# KiCad board UNI_i1.kicad_pcb
title: zensai75_UNI_i1; rev: v1; company: shoonie
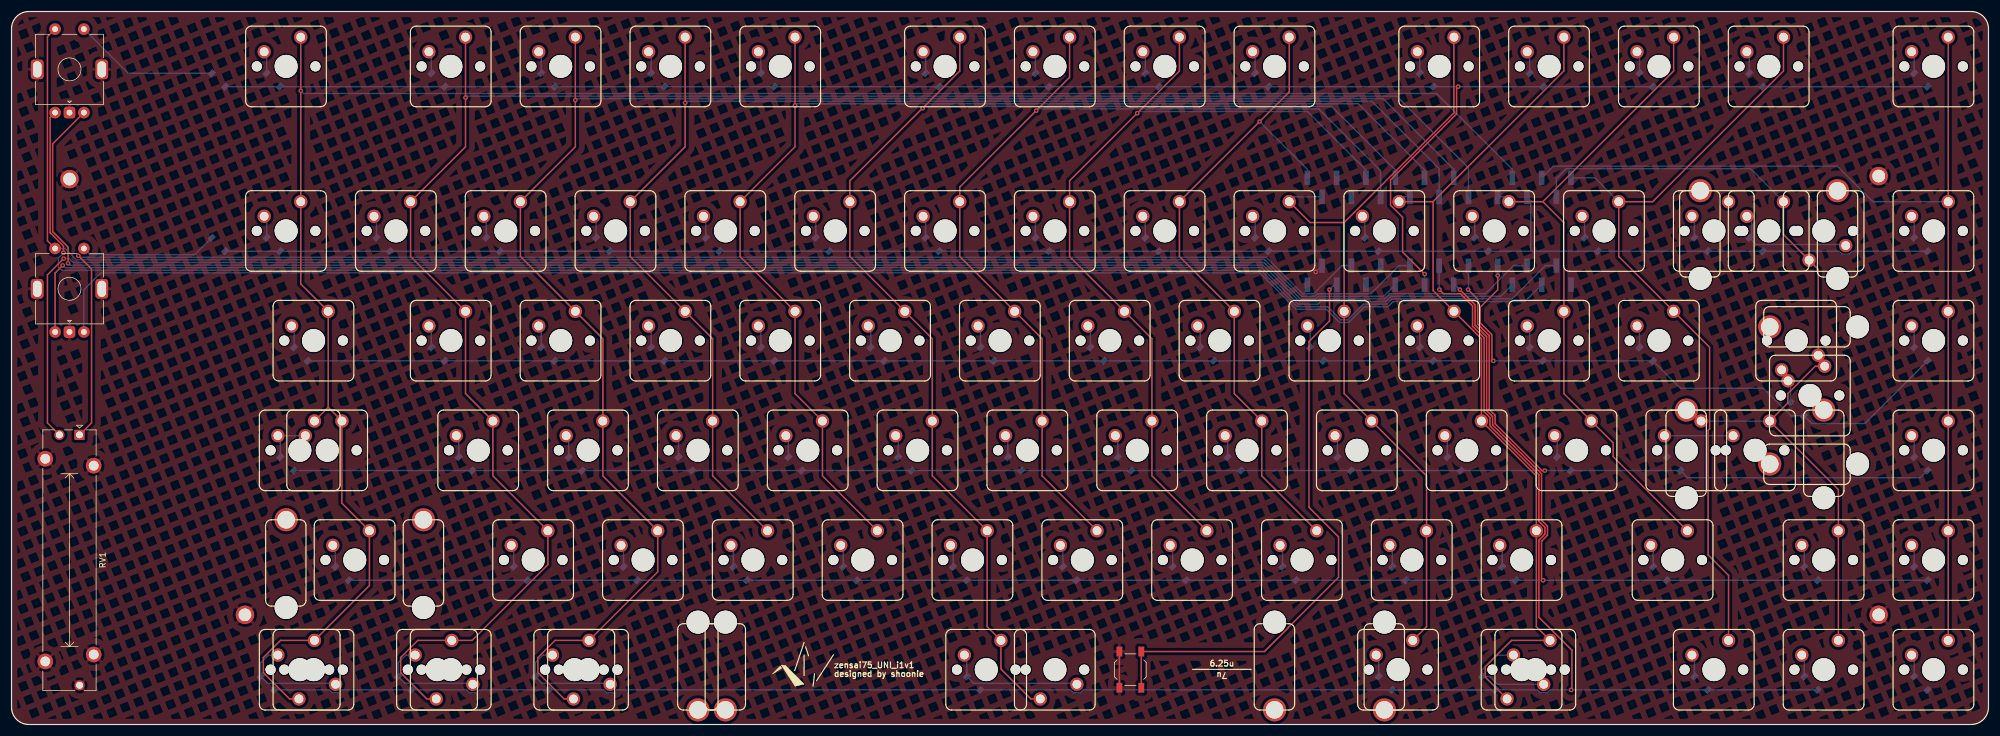
[diagram p0: board, top side]
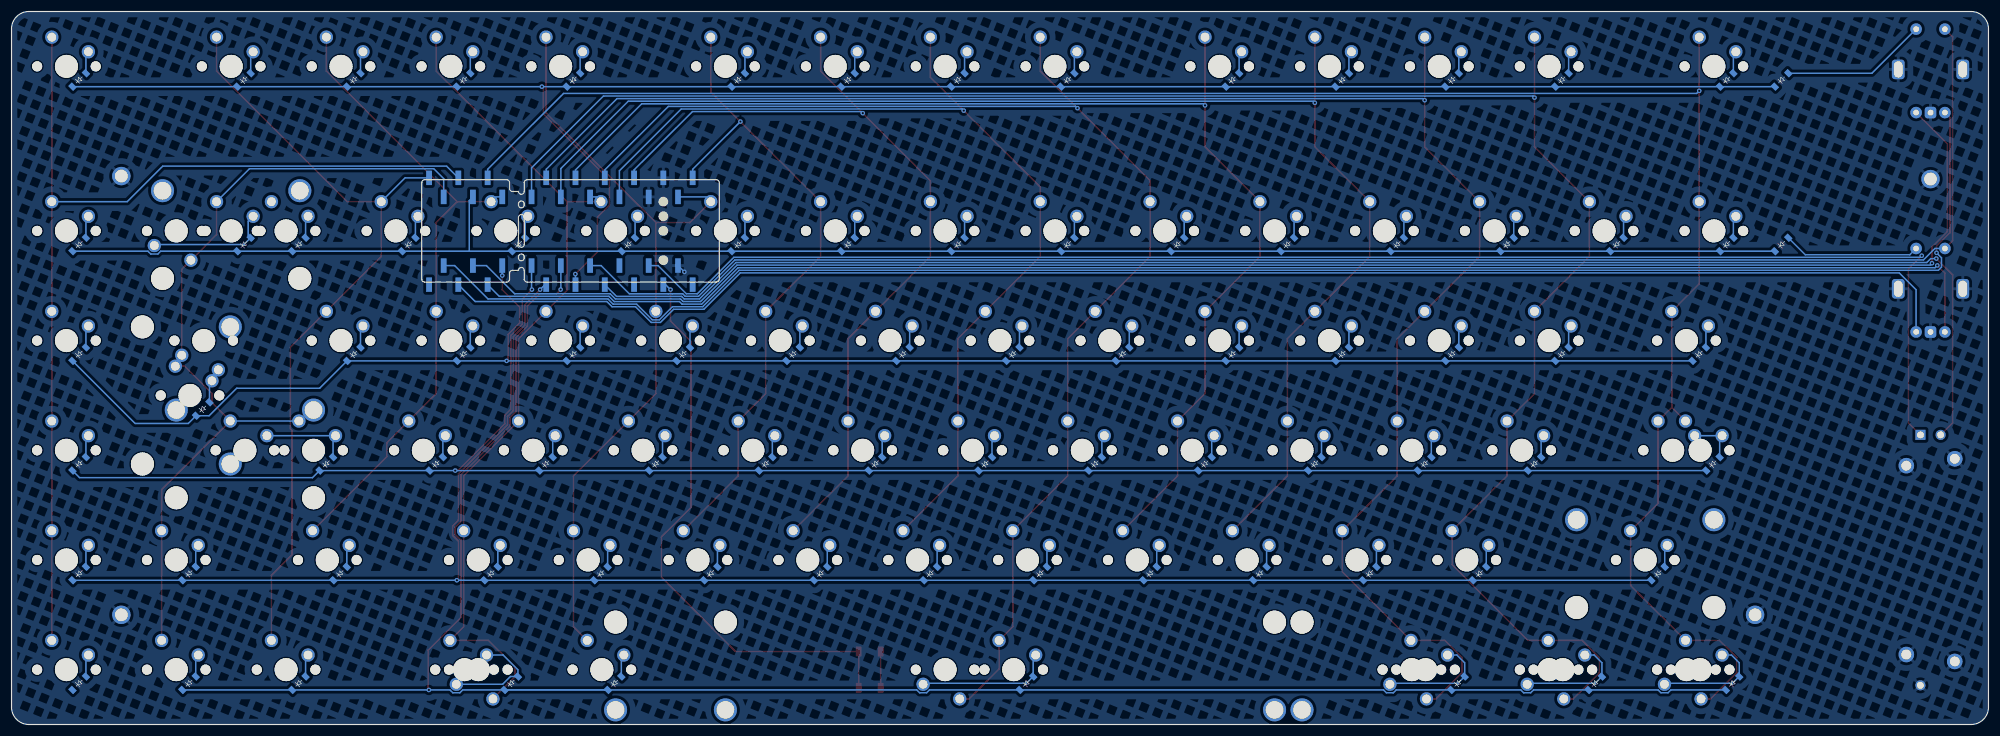
[diagram p1: board, bottom side, seen from below]

Outline 342.9 x 123.82 mm; copper layers: Top, Bottom. Coordinates in mm from the lower left corner of the outline.
Outline path: 0,120.82 0,3 arc(0.88,0.88) 3,0 339.9,0 arc(342.02,0.88) 342.9,3 342.9,120.82 arc(342.02,122.95) 339.9,123.82 3,123.82 arc(0.88,122.95) 0,120.82
Stack: Top 0.035mm / dielectric 1.51mm FR4 er 4.5 / Bottom 0.035mm

## Placement (name value [footprint] x y rotation side)
D1  D_Small  [D_SOD-123_CLEAN]  45.34 112.01 315 bottom
D2  D_Small  [D_SOD-123_CLEAN]  73.92 112.01 315 bottom
D3  D_Small  [D_SOD-123_CLEAN]  92.97 112.01 315 bottom
D4  D_Small  [D_SOD-123_CLEAN]  112.02 112.01 315 bottom
D5  D_Small  [D_SOD-123_CLEAN]  131.07 112.01 315 bottom
D6  D_Small  [D_SOD-123_CLEAN]  159.64 112.01 315 bottom
D7  D_Small  [D_SOD-123_CLEAN]  178.69 112.01 315 bottom
D8  D_Small  [D_SOD-123_CLEAN]  197.74 112.01 315 bottom
D9  D_Small  [D_SOD-123_CLEAN]  216.79 112.01 315 bottom
D10  D_Small  [D_SOD-123_CLEAN]  245.37 112.01 315 bottom
D11  D_Small  [D_SOD-123_CLEAN]  264.42 112.01 315 bottom
D12  D_Small  [D_SOD-123_CLEAN]  283.47 112.01 315 bottom
D13  D_Small  [D_SOD-123_CLEAN]  302.52 112.01 315 bottom
D14  D_Small  [D_SOD-123_CLEAN]  331.09 112.01 315 bottom
D15  D_Small  [D_SOD-123_CLEAN]  45.34 83.44 315 bottom
D16  D_Small  [D_SOD-123_CLEAN]  64.39 83.44 315 bottom
D17  D_Small  [D_SOD-123_CLEAN]  83.44 83.44 315 bottom
D18  D_Small  [D_SOD-123_CLEAN]  102.49 83.44 315 bottom
D19  D_Small  [D_SOD-123_CLEAN]  121.54 83.44 315 bottom
D20  D_Small  [D_SOD-123_CLEAN]  140.59 83.44 315 bottom
D21  D_Small  [D_SOD-123_CLEAN]  159.64 83.44 315 bottom
D22  D_Small  [D_SOD-123_CLEAN]  178.69 83.44 315 bottom
D23  D_Small  [D_SOD-123_CLEAN]  197.74 83.44 315 bottom
D24  D_Small  [D_SOD-123_CLEAN]  216.79 83.44 315 bottom
D25  D_Small  [D_SOD-123_CLEAN]  235.84 83.44 315 bottom
D26  D_Small  [D_SOD-123_CLEAN]  254.89 83.44 315 bottom
D27  D_Small  [D_SOD-123_CLEAN]  273.94 83.44 315 bottom
D28  D_Small  [D_SOD-123_CLEAN]  292.99 83.44 315 bottom
D29  D_Small  [D_SOD-123_CLEAN]  302.52 83.44 315 bottom
D31  D_Small  [D_SOD-123_CLEAN]  331.09 83.44 315 bottom
D32  D_Small  [D_SOD-123_CLEAN]  50.1 64.39 315 bottom
D33  D_Small  [D_SOD-123_CLEAN]  73.92 64.39 315 bottom
D34  D_Small  [D_SOD-123_CLEAN]  92.97 64.39 315 bottom
D35  D_Small  [D_SOD-123_CLEAN]  112.02 64.39 315 bottom
D36  D_Small  [D_SOD-123_CLEAN]  131.07 64.39 315 bottom
D37  D_Small  [D_SOD-123_CLEAN]  150.12 64.39 315 bottom
D38  D_Small  [D_SOD-123_CLEAN]  169.17 64.39 315 bottom
D39  D_Small  [D_SOD-123_CLEAN]  188.22 64.39 315 bottom
D40  D_Small  [D_SOD-123_CLEAN]  207.27 64.39 315 bottom
D41  D_Small  [D_SOD-123_CLEAN]  226.32 64.39 315 bottom
D42  D_Small  [D_SOD-123_CLEAN]  245.37 64.39 315 bottom
D43  D_Small  [D_SOD-123_CLEAN]  264.42 64.39 315 bottom
D44  D_Small  [D_SOD-123_CLEAN]  283.47 64.39 315 bottom
D46  D_Small  [D_SOD-123_CLEAN]  309.66 54.86 315 bottom
D47  D_Small  [D_SOD-123_CLEAN]  331.09 64.39 315 bottom
D48  D_Small  [D_SOD-123_CLEAN]  47.72 45.34 315 bottom
D50  D_Small  [D_SOD-123_CLEAN]  78.68 45.34 315 bottom
D51  D_Small  [D_SOD-123_CLEAN]  97.73 45.34 315 bottom
D52  D_Small  [D_SOD-123_CLEAN]  116.78 45.34 315 bottom
D53  D_Small  [D_SOD-123_CLEAN]  135.83 45.34 315 bottom
D54  D_Small  [D_SOD-123_CLEAN]  154.88 45.34 315 bottom
D55  D_Small  [D_SOD-123_CLEAN]  173.93 45.34 315 bottom
D56  D_Small  [D_SOD-123_CLEAN]  192.98 45.34 315 bottom
D57  D_Small  [D_SOD-123_CLEAN]  212.03 45.34 315 bottom
D58  D_Small  [D_SOD-123_CLEAN]  231.08 45.34 315 bottom
D59  D_Small  [D_SOD-123_CLEAN]  250.13 45.34 315 bottom
D60  D_Small  [D_SOD-123_CLEAN]  269.18 45.34 315 bottom
D61  D_Small  [D_SOD-123_CLEAN]  288.23 45.34 315 bottom
D63  D_Small  [D_SOD-123_CLEAN]  331.09 45.34 315 bottom
D64  D_Small  [D_SOD-123_CLEAN]  57.25 26.29 315 bottom
D65  D_Small  [D_SOD-123_CLEAN]  88.2 26.29 315 bottom
D66  D_Small  [D_SOD-123_CLEAN]  107.25 26.29 315 bottom
D67  D_Small  [D_SOD-123_CLEAN]  126.3 26.29 315 bottom
D68  D_Small  [D_SOD-123_CLEAN]  145.35 26.29 315 bottom
D69  D_Small  [D_SOD-123_CLEAN]  164.4 26.29 315 bottom
D70  D_Small  [D_SOD-123_CLEAN]  183.45 26.29 315 bottom
D71  D_Small  [D_SOD-123_CLEAN]  202.5 26.29 315 bottom
D72  D_Small  [D_SOD-123_CLEAN]  221.55 26.29 315 bottom
D73  D_Small  [D_SOD-123_CLEAN]  240.6 26.29 315 bottom
D74  D_Small  [D_SOD-123_CLEAN]  259.65 26.29 315 bottom
D75  D_Small  [D_SOD-123_CLEAN]  285.85 26.29 315 bottom
D76  D_Small  [D_SOD-123_CLEAN]  312.04 26.29 315 bottom
D77  D_Small  [D_SOD-123_CLEAN]  331.09 26.29 315 bottom
D78  D_Small  [D_SOD-123_CLEAN]  44.33 7.24 315 bottom
D80  D_Small  [D_SOD-123_CLEAN]  68.14 7.24 315 bottom
D82  D_Small  [D_SOD-123_CLEAN]  91.95 7.24 315 bottom
D84  D_Small  [D_SOD-123_CLEAN]  166.79 7.24 315 bottom
D86  D_Small  [D_SOD-123_CLEAN]  238.22 7.24 315 bottom
D88  D_Small  [D_SOD-123_CLEAN]  256.16 7.24 315 bottom
D89  D_Small  [D_SOD-123_CLEAN]  292.99 7.24 315 bottom
D90  D_Small  [D_SOD-123_CLEAN]  312.04 7.24 315 bottom
D91  D_Small  [D_SOD-123_CLEAN]  331.09 7.24 315 bottom
D92  D_Small  [D_SOD-123_CLEAN]  35.82 112.01 315 bottom
D93  D_Small  [D_SOD-123_CLEAN]  35.82 83.44 315 bottom
H1  MountingHole_Pad  [MountingHole_2.2mm_M2_Pad_MOD]  10.05 94.72 0 top
H2  MountingHole_Pad  [MountingHole_2.2mm_M2_Pad_MOD]  40.48 19.05 0 top
H3  MountingHole_Pad  [MountingHole_2.2mm_M2_Pad_MOD]  323.85 95.25 0 top
H4  MountingHole_Pad  [MountingHole_2.2mm_M2_Pad_MOD]  323.85 19.05 0 top
J1  Conn_01x19_Pin  [PinHeader_1x19_P2.54mm_Vertical_SMD_Pin1Left_BLANK]  247.63 93.29 270 bottom
J2  Conn_01x19_Pin  [PinHeader_1x19_P2.54mm_Vertical_SMD_Pin1Left_BLANK]  247.63 78.05 90 bottom
REF**  -  [bottom_row_guide]  209.93 9.57 0 top
REF**#2  -  [info]  142.55 9.55 0 top
RV1  R_Potentiometer_MountingPin  [Potentiometer_Bourns_PTA3043_Single_Slide]  11.8 50.3 270 top
S29  MX_stab  [STAB_MX_P_2u]  304.8 85.72 0 top
S46  MX_stab  [STAB_MX_P_2u]  311.95 57.15 90 top
S62  MX_stab  [STAB_MX_P_2u]  302.42 47.62 0 top
S64  MX_stab  [STAB_MX_P_2u]  59.53 28.57 0 top
S84  MX_stab  [STAB_MX_P_6.25u]  169.07 9.52 180 top
S85  MX_stab  [STAB_MX_P_7u]  180.98 9.52 180 top
SW1  MX_SW_solder  [SW_MX_1u]  47.63 114.3 0 top
SW2  MX_SW_solder  [SW_MX_1u]  76.2 114.3 0 top
SW3  MX_SW_solder  [SW_MX_1u]  95.25 114.3 0 top
SW4  MX_SW_solder  [SW_MX_1u]  114.3 114.3 0 top
SW5  MX_SW_solder  [SW_MX_1u]  133.35 114.3 0 top
SW6  MX_SW_solder  [SW_MX_1u]  161.93 114.3 0 top
SW7  MX_SW_solder  [SW_MX_1u]  180.98 114.3 0 top
SW8  MX_SW_solder  [SW_MX_1u]  200.03 114.3 0 top
SW9  MX_SW_solder  [SW_MX_1u]  219.08 114.3 0 top
SW10  MX_SW_solder  [SW_MX_1u]  247.65 114.3 0 top
SW11  MX_SW_solder  [SW_MX_1u]  266.7 114.3 0 top
SW12  MX_SW_solder  [SW_MX_1u]  285.75 114.3 0 top
SW13  MX_SW_solder  [SW_MX_1u]  304.8 114.3 0 top
SW14  MX_SW_solder  [SW_MX_1u]  333.38 114.3 0 top
SW15  MX_SW_solder  [SW_MX_1u]  47.63 85.72 0 top
SW16  MX_SW_solder  [SW_MX_1u]  66.68 85.72 0 top
SW17  MX_SW_solder  [SW_MX_1u]  85.73 85.72 0 top
SW18  MX_SW_solder  [SW_MX_1u]  104.78 85.72 0 top
SW19  MX_SW_solder  [SW_MX_1u]  123.83 85.72 0 top
SW20  MX_SW_solder  [SW_MX_1u]  142.88 85.72 0 top
SW21  MX_SW_solder  [SW_MX_1u]  161.93 85.72 0 top
SW22  MX_SW_solder  [SW_MX_1u]  180.98 85.72 0 top
SW23  MX_SW_solder  [SW_MX_1u]  200.03 85.72 0 top
SW24  MX_SW_solder  [SW_MX_1u]  219.08 85.72 0 top
SW25  MX_SW_solder  [SW_MX_1u]  238.13 85.72 0 top
SW26  MX_SW_solder  [SW_MX_1u]  257.18 85.72 0 top
SW27  MX_SW_solder  [SW_MX_1u]  276.23 85.72 0 top
SW28  MX_SW_solder  [SW_MX_1u]  295.28 85.72 0 top
SW29  MX_SW_solder  [SW_MX_1u]  304.8 85.72 0 top
SW30  MX_SW_solder  [SW_MX_1u]  314.33 85.72 180 top
SW31  MX_SW_solder  [SW_MX_1u]  333.38 85.72 0 top
SW32  MX_SW_solder  [SW_MX_1u]  52.39 66.67 0 top
SW33  MX_SW_solder  [SW_MX_1u]  76.2 66.67 0 top
SW34  MX_SW_solder  [SW_MX_1u]  95.25 66.67 0 top
SW35  MX_SW_solder  [SW_MX_1u]  114.3 66.67 0 top
SW36  MX_SW_solder  [SW_MX_1u]  133.35 66.67 0 top
SW37  MX_SW_solder  [SW_MX_1u]  152.4 66.67 0 top
SW38  MX_SW_solder  [SW_MX_1u]  171.45 66.67 0 top
SW39  MX_SW_solder  [SW_MX_1u]  190.5 66.67 0 top
SW40  MX_SW_solder  [SW_MX_1u]  209.55 66.67 0 top
SW41  MX_SW_solder  [SW_MX_1u]  228.6 66.67 0 top
SW42  MX_SW_solder  [SW_MX_1u]  247.65 66.67 0 top
SW43  MX_SW_solder  [SW_MX_1u]  266.7 66.67 0 top
SW44  MX_SW_solder  [SW_MX_1u]  285.75 66.67 0 top
SW45  MX_SW_solder  [SW_MX_1u]  309.57 66.67 180 top
SW46  MX_SW_solder  [SW_MX_1u]  311.95 57.15 0 top
SW47  MX_SW_solder  [SW_MX_1u]  333.38 66.67 0 top
SW48  MX_SW_solder  [SW_MX_1u]  50.01 47.62 0 top
SW49  MX_SW_solder  [SW_MX_1u]  54.77 47.62 0 top
SW50  MX_SW_solder  [SW_MX_1u]  80.97 47.62 0 top
SW51  MX_SW_solder  [SW_MX_1u]  100.02 47.62 0 top
SW52  MX_SW_solder  [SW_MX_1u]  119.07 47.62 0 top
SW53  MX_SW_solder  [SW_MX_1u]  138.12 47.62 0 top
SW54  MX_SW_solder  [SW_MX_1u]  157.17 47.62 0 top
SW55  MX_SW_solder  [SW_MX_1u]  176.22 47.62 0 top
SW56  MX_SW_solder  [SW_MX_1u]  195.27 47.62 0 top
SW57  MX_SW_solder  [SW_MX_1u]  214.32 47.62 0 top
SW58  MX_SW_solder  [SW_MX_1u]  233.37 47.62 0 top
SW59  MX_SW_solder  [SW_MX_1u]  252.42 47.62 0 top
SW60  MX_SW_solder  [SW_MX_1u]  271.47 47.62 0 top
SW61  MX_SW_solder  [SW_MX_1u]  290.52 47.62 0 top
SW62  MX_SW_solder  [SW_MX_1u]  302.42 47.62 0 top
SW63  MX_SW_solder  [SW_MX_1u]  333.38 47.62 0 top
SW64  MX_SW_solder  [SW_MX_1u]  59.53 28.57 0 top
SW65  MX_SW_solder  [SW_MX_1u]  90.49 28.57 0 top
SW66  MX_SW_solder  [SW_MX_1u]  109.54 28.57 0 top
SW67  MX_SW_solder  [SW_MX_1u]  128.59 28.57 0 top
SW68  MX_SW_solder  [SW_MX_1u]  147.64 28.57 0 top
SW69  MX_SW_solder  [SW_MX_1u]  166.69 28.57 0 top
SW70  MX_SW_solder  [SW_MX_1u]  185.74 28.57 0 top
SW71  MX_SW_solder  [SW_MX_1u]  204.79 28.57 0 top
SW72  MX_SW_solder  [SW_MX_1u]  223.84 28.57 0 top
SW73  MX_SW_solder  [SW_MX_1u]  242.89 28.57 0 top
SW74  MX_SW_solder  [SW_MX_1u]  261.94 28.57 0 top
SW75  MX_SW_solder  [SW_MX_1u]  288.13 28.57 0 top
SW76  MX_SW_solder  [SW_MX_1u]  314.33 28.57 0 top
SW77  MX_SW_solder  [SW_MX_1u]  333.38 28.57 0 top
SW78  MX_SW_solder  [SW_MX_1u]  50.01 9.52 0 top
SW79  MX_SW_solder  [SW_MX_1u]  52.39 9.52 180 top
SW80  MX_SW_solder  [SW_MX_1u]  73.82 9.52 0 top
SW81  MX_SW_solder  [SW_MX_1u]  76.2 9.52 180 top
SW82  MX_SW_solder  [SW_MX_1u]  97.63 9.52 0 top
SW83  MX_SW_solder  [SW_MX_1u]  100.02 9.52 180 top
SW84  MX_SW_solder  [SW_MX_1u]  169.07 9.52 0 top
SW85  MX_SW_solder  [SW_MX_1u]  180.98 9.52 180 top
SW86  MX_SW_solder  [SW_MX_1u]  240.51 9.52 0 top
SW87  MX_SW_solder  [SW_MX_1u]  261.94 9.52 180 top
SW88  MX_SW_solder  [SW_MX_1u]  264.32 9.52 0 top
SW89  MX_SW_solder  [SW_MX_1u]  295.28 9.52 0 top
SW90  MX_SW_solder  [SW_MX_1u]  314.33 9.52 0 top
SW91  MX_SW_solder  [SW_MX_1u]  333.38 9.52 0 top
SW92  RotaryEncoder_Switch  [ROT_Alps_EC11E-Switch]  10.05 113.77 0 top
SW93  RotaryEncoder_Switch  [ROT_Alps_EC11E-Switch]  10.05 75.67 0 top
SW94  SW_Push_45deg  [SW_SPST_TL3342]  194.06 9.52 270 top
U1  Bonsai-C4-extended  [Bonsai_C4_extended_SMD]  238.13 85.72 270 bottom

## Library data of the parts
D1-D29 D31-D44 D46-D48 D50-D61 D63-D78 D80 D82 D84 D86 D88-D93 = -: Description: Diode, small symbol; Sim.Device: D; Sim.Pins: 1=K 2=A
H1-H4 = -: Description: Mounting Hole with connection
J1 J2 = -: Description: Generic connector, single row, 01x19, script generated
RV1 = -: Description: Potentiometer with a mounting pin
S29 S46 S62 S64 S84 S85 = -: Description: Cherry MX-style stabilizer
SW1-SW91 SW94 = -: Description: Push button switch, normally open, two pins, 45° tilted
SW92 SW93 = -: Description: Rotary encoder, dual channel, incremental quadrate outputs, with switch

## Footprints (pads in the part's own frame, mm; a bottom-side part is the same pattern mirrored in y, then rotated)
Bonsai_C4_extended_SMD
  rect 2.51x1 smd: 1(-9.215,13.364) 2(-5.905,10.824) 3(-9.215,8.284) 4(-5.905,5.744) 5(-9.215,3.204) 6(-5.905,0.664) 7(-9.215,-1.876) 8(-5.905,-4.416) 9(-9.215,-6.956) 10(-5.905,-9.496) 11(-9.215,-12.036) 12(-5.905,-14.576) 17(9.335,13.364) 18(6.025,10.824) 19(9.335,8.284) 20(6.025,5.744) 21(9.335,3.204) 22(6.025,0.664) 23(9.335,-1.876) 24(9.335,-6.956) 25(6.025,-4.416) 26(6.025,-9.496) 27(9.335,-12.036) 28(6.025,-14.576) 29(-5.905,-19.656) 30(-9.215,-22.196) 31(-5.905,-24.736) 32(-9.215,-27.276) 33(-5.905,-29.816) 34(-9.215,-32.356) 35(6.025,-19.656) 36(9.335,-22.196) 37(6.025,-24.736) 38(9.335,-27.276) 39(6.025,-29.816) 40(9.335,-32.356)
D_SOD-123_CLEAN
  rect 0.9x1.2 smd: 1(1.75,0) 2(-1.55,0)
MountingHole_2.2mm_M2_Pad_MOD
  round 3.2 hole 2.2: 1(0,0)
Potentiometer_Bourns_PTA3043_Single_Slide
  rect 1.75x1.75 hole 1.2: 1(0,0)
  round 1.75 hole 1.2: 2(0,-3.5) 3(43.5,0)
  round 2.7 hole 1.7: MP(4.15,-5.95) MP(5.35,2.45) MP(38.15,2.45) MP(39.35,-5.95)
ROT_Alps_EC11E-Switch
  round 2 hole 1: A(-2.5,-7.5) B(2.5,-7.5) S1(2.5,7) S2(-2.5,7)
  rrect 2x2 hole 1: C(0,-7.5)
  rrect 2.2x3.4 hole 1.5x2.8: MP(-5.6,0) MP(5.6,0)
STAB_MX_P_2u
  round 4 hole 3.048: (-11.906,6.985) (11.906,6.985)
  round 3.988 hole 3.988 unplated: (-11.906,-8.255) (11.906,-8.255)
STAB_MX_P_6.25u
  round 4 hole 3.048: (-50.006,6.985) (50.006,6.985)
  round 3.988 hole 3.988 unplated: (-50.006,-8.255) (50.006,-8.255)
STAB_MX_P_7u
  round 4 hole 3.048: (-57.15,6.985) (57.15,6.985)
  round 3.988 hole 3.988 unplated: (-57.15,-8.255) (57.15,-8.255)
SW_MX_1u
  round 1.75 hole 1.75 unplated: (-5.08,0) (5.08,0)
  round 3.988 hole 3.988 unplated: (0,0)
  round 2.3 hole 1.524: 1(-3.81,2.54) 2(2.54,5.08)
SW_SPST_TL3342
  rect 1.7x1 smd: 1(-3.15,1.9) 1(3.15,1.9) 2(-3.15,-1.9) 2(3.15,-1.9)

## Nets
+3.3V: RV1.1 U1.20
GND: H1.1 H2.1 H3.1 H4.1 RV1.3 RV1.MP SW92.C SW92.MP SW93.C SW93.MP SW94.2 U1.3 U1.4 U1.18
COL0: SW1.2 SW15.2 SW32.2 SW48.2 SW49.2 SW64.2 SW78.2 SW79.2 U1.30
COL1: SW2.2 SW16.2 SW33.2 SW50.2 SW65.2 SW80.2 SW81.2 U1.12
COL2: SW3.2 SW17.2 SW34.2 SW51.2 SW66.2 SW82.2 SW83.2 U1.11
COL3: SW4.2 SW18.2 SW35.2 SW52.2 SW67.2 U1.10
COL4: SW5.2 SW19.2 SW36.2 SW53.2 SW68.2 U1.9
COL5: SW6.2 SW20.2 SW37.2 SW54.2 SW69.2 SW84.2 SW85.2 U1.7
COL6: SW7.2 SW21.2 SW38.2 SW55.2 SW70.2 U1.6
COL7: SW8.2 SW22.2 SW39.2 SW56.2 SW71.2 U1.5
COL8: SW9.2 SW23.2 SW40.2 SW57.2 SW72.2 U1.1
COL9: SW10.2 SW24.2 SW41.2 SW58.2 SW73.2 SW86.2 U1.2
COL10: SW11.2 SW25.2 SW42.2 SW59.2 SW74.2 SW87.2 SW88.2 U1.8
COL11: SW12.2 SW26.2 SW43.2 SW60.2 SW75.2 U1.29
COL12: SW13.2 SW27.2 SW44.2 SW89.2 U1.34
COL13: SW29.2 SW30.2 SW45.1 SW46.2 SW61.2 SW62.2 SW76.2 SW90.2 U1.33
COL14: SW14.2 SW31.2 SW47.2 SW63.2 SW77.2 SW91.2 U1.32
COL-1: SW92.S1 SW93.S1 U1.25
ROW0: D15.1 D16.1 D17.1 D18.1 D19.1 D20.1 D21.1 D22.1 D23.1 D24.1 D25.1 D26.1 D27.1 D28.1 D29.1 D31.1 D93.1 U1.31
ROW1: D32.1 D33.1 D34.1 D35.1 D36.1 D37.1 D38.1 D39.1 D40.1 D41.1 D42.1 D43.1 D44.1 D46.1 D47.1 U1.35
ROW2: D48.1 D50.1 D51.1 D52.1 D53.1 D54.1 D55.1 D56.1 D57.1 D58.1 D59.1 D60.1 D61.1 D63.1 U1.28
ROW3: D64.1 D65.1 D66.1 D67.1 D68.1 D69.1 D70.1 D71.1 D72.1 D73.1 D74.1 D75.1 D76.1 D77.1 U1.27
ROW4: D78.1 D80.1 D82.1 D84.1 D86.1 D88.1 D89.1 D90.1 U1.26
ROW-1: D1.1 D2.1 D3.1 D4.1 D5.1 D6.1 D7.1 D8.1 D9.1 D10.1 D11.1 D12.1 D13.1 D14.1 D92.1 U1.24
SW32A: SW92.A U1.39
SW32B: SW92.B U1.37
SW48A: SW93.A U1.36
SW48B: SW93.B U1.38
Net-(D1-A): D1.2 SW1.1
Net-(D2-A): D2.2 SW2.1
Net-(D3-A): D3.2 SW3.1
Net-(D4-A): D4.2 SW4.1
Net-(D5-A): D5.2 SW5.1
Net-(D6-A): D6.2 SW6.1
Net-(D7-A): D7.2 SW7.1
Net-(D8-A): D8.2 SW8.1
Net-(D9-A): D9.2 SW9.1
Net-(D10-A): D10.2 SW10.1
Net-(D11-A): D11.2 SW11.1
Net-(D12-A): D12.2 SW12.1
Net-(D13-A): D13.2 SW13.1
Net-(D14-A): D14.2 SW14.1
Net-(D15-A): D15.2 SW15.1
Net-(D16-A): D16.2 SW16.1
Net-(D17-A): D17.2 SW17.1
Net-(D18-A): D18.2 SW18.1
Net-(D19-A): D19.2 SW19.1
Net-(D20-A): D20.2 SW20.1
Net-(D21-A): D21.2 SW21.1
Net-(D22-A): D22.2 SW22.1
Net-(D23-A): D23.2 SW23.1
Net-(D24-A): D24.2 SW24.1
Net-(D25-A): D25.2 SW25.1
Net-(D26-A): D26.2 SW26.1
Net-(D27-A): D27.2 SW27.1
Net-(D28-A): D28.2 SW28.1
Net-(D29-A): D29.2 SW29.1 SW30.1
Net-(D31-A): D31.2 SW31.1
Net-(D32-A): D32.2 SW32.1
Net-(D33-A): D33.2 SW33.1
Net-(D34-A): D34.2 SW34.1
Net-(D35-A): D35.2 SW35.1
Net-(D36-A): D36.2 SW36.1
Net-(D37-A): D37.2 SW37.1
Net-(D38-A): D38.2 SW38.1
Net-(D39-A): D39.2 SW39.1
Net-(D40-A): D40.2 SW40.1
Net-(D41-A): D41.2 SW41.1
Net-(D42-A): D42.2 SW42.1
Net-(D43-A): D43.2 SW43.1
Net-(D44-A): D44.2 SW44.1
Net-(D45-A): D46.2 SW45.2 SW46.1
Net-(D47-A): D47.2 SW47.1
Net-(D48-A): D48.2 SW48.1 SW49.1
Net-(D50-A): D50.2 SW50.1
Net-(D51-A): D51.2 SW51.1
Net-(D52-A): D52.2 SW52.1
Net-(D53-A): D53.2 SW53.1
Net-(D54-A): D54.2 SW54.1
Net-(D55-A): D55.2 SW55.1
Net-(D56-A): D56.2 SW56.1
Net-(D57-A): D57.2 SW57.1
Net-(D58-A): D58.2 SW58.1
Net-(D59-A): D59.2 SW59.1
Net-(D60-A): D60.2 SW60.1
Net-(D61-A): D61.2 SW61.1 SW62.1
Net-(D63-A): D63.2 SW63.1
Net-(D64-A): D64.2 SW64.1
Net-(D65-A): D65.2 SW65.1
Net-(D66-A): D66.2 SW66.1
Net-(D67-A): D67.2 SW67.1
Net-(D68-A): D68.2 SW68.1
Net-(D69-A): D69.2 SW69.1
Net-(D70-A): D70.2 SW70.1
Net-(D71-A): D71.2 SW71.1
Net-(D72-A): D72.2 SW72.1
Net-(D73-A): D73.2 SW73.1
Net-(D74-A): D74.2 SW74.1
Net-(D75-A): D75.2 SW75.1
Net-(D76-A): D76.2 SW76.1
Net-(D77-A): D77.2 SW77.1
Net-(D78-A): D78.2 SW78.1 SW79.1
Net-(D80-A): D80.2 SW80.1 SW81.1
Net-(D82-A): D82.2 SW82.1 SW83.1
Net-(D84-A): D84.2 SW84.1 SW85.1
Net-(D86-A): D86.2 SW86.1
Net-(D87-A): D88.2 SW87.1 SW88.1
Net-(D89-A): D89.2 SW89.1
Net-(D90-A): D90.2 SW90.1
Net-(D91-A): D91.2 SW91.1
Net-(D92-A): D92.2 SW92.S2
Net-(D93-A): D93.2 SW93.S2
Net-(U1-A5): RV1.2 U1.23
Net-(U1-DFU): SW94.1 U1.19

Pads without a net: D91 1; SW28 2; U1 17 21 22 40

## Via types
v1: diameter 0.8, hole 0.4, Top to Bottom, 26 vias

## Routing (per net, layer and track width the routed paths; a pad name or vN(x,y) marks a point on that pad's centre or on a via; arc(x,y) is an arc through that point)
+3.3V: length 258.5
  Top w0.25: v1(11.57,81.41) 11.59,81.41 13.88,79.13 13.88,52.38 RV1.1
  Bottom w0.25: v1(11.57,81.41) 11.85,81.13 217.61,81.13 223.94,74.81 225.86,74.81 230.75,79.7 U1.20
GND: length 7.8
  Top w0.25: SW94.2 SW94.2
  Bottom w0.25: 227.28,79.7 v1(226.19,78.61)
COL0: length 355.1
  Top w0.25: SW1.2 SW15.2 50.17,76.51 SW32.2 54.93,55.08 ; 54.93,55.08 SW49.2 57.31,38.41 SW64.2 62.07,24.13 SW78.2 46.65,14.6 43.68,11.63 43.68,8.99 48.22,4.44 SW79.2 ; 54.93,55.08 SW48.2
  Bottom w0.25: U1.30 260.32,96.42 247.14,109.6 50.62,109.6 v1(50.17,110.05)
COL1: length 332.6
  Top w0.25: SW81.2 72.04,4.44 67.49,8.99 67.49,11.63 70.47,14.6 SW80.2 79.87,14.6 93.03,27.76 SW65.2 83.51,43.18 SW50.2 78.74,57.46 SW33.2 69.22,81.28 SW16.2 78.74,100.33 SW2.2
  Bottom w0.25: v1(78.74,108.87) 79.02,109.15 240.23,109.15 252.7,96.67 U1.12
COL2: length 303.4
  Top w0.25: SW83.2 95.85,4.44 91.3,8.99 91.3,11.63 94.28,14.6 SW82.2 112.08,26.51 SW66.2 102.56,43.18 SW51.2 102.56,66.99 SW34.2 88.27,81.28 SW17.2 97.79,100.33 SW3.2
  Bottom w0.25: U1.11 250.16,96.42 237.88,108.7 98.07,108.7 v1(97.79,108.42)
COL3: length 240.2
  Top w0.25: SW4.2 116.84,100.33 SW18.2 107.32,81.28 SW35.2 121.61,66.99 SW52.2 121.61,43.18 SW67.2
  Bottom w0.25: U1.10 247.62,96.55 235.92,108.25 117.12,108.25 v1(116.84,107.97)
COL4: length 215
  Top w0.25: SW5.2 135.89,100.33 126.37,90.8 126.37,81.28 SW36.2 135.89,57.46 SW53.2 140.66,43.18 SW68.2
  Bottom w0.25: v1(135.89,107.52) 136.17,107.8 233.6,107.8 245.08,96.31 U1.9
COL5: length 225.5
  Top w0.25: SW85.2 176.81,4.44 171.61,9.64 SW84.2 169.23,16.98 SW69.2 159.71,43.18 SW54.2 159.71,66.99 SW37.2 145.42,81.28 SW20.2 145.42,94.44 v1(158.01,107.03) 164.47,113.49 SW6.2
  Bottom w0.25: v1(158.01,107.03) 158.33,107.35 228.97,107.35 240,96.31 U1.7
COL6: length 172.3
  Top w0.25: SW70.2 178.76,43.18 SW55.2 178.76,66.99 SW38.2 164.47,81.28 SW21.2 164.47,93.34 v1(177.74,106.61) 183.52,112.39 SW7.2
  Bottom w0.25: v1(177.74,106.61) 178.02,106.9 226.73,106.9 237.46,96.17 U1.6
COL7: length 148.8
  Top w0.25: SW71.2 197.81,43.18 SW56.2 197.81,66.99 SW39.2 183.52,81.28 SW22.2 183.52,94.44 v1(195.25,106.17) 202.57,113.49 SW8.2
  Bottom w0.25: v1(195.25,106.17) 195.53,106.45 224.79,106.45 234.92,96.31 U1.5
COL8: length 116.7
  Top w0.25: 221.62,119.38 221.62,109.85 v1(216.47,104.71) SW23.2 202.57,81.28 SW40.2 212.09,57.46 SW57.2 216.86,43.18 SW72.2
  Bottom w0.25: U1.1 224.76,96.42 v1(216.47,104.71)
COL9: length 136.6
  Top w0.25: 231.14,87.17 250.19,106.22 SW10.2 ; 231.14,87.17 SW41.2 231.14,57.46 SW58.2 245.43,43.18 SW73.2 245.43,16.98 SW86.2 ; 231.14,87.17 225.25,87.17 221.62,90.8
  Bottom w0.25: U1.2 222.44,91.63 221.62,90.8
COL10: length 151
  Top w0.25: 246.56,90.8 269.24,113.49 SW11.2 ; 246.56,90.8 SW25.2 ; 246.56,90.8 246.56,75.39 SW42.2 254.96,66.99 SW59.2 264.48,43.18 SW74.2 264.48,16.98 SW88.2 260.17,14.6 255.61,10.04 255.61,8.23 SW87.2
  Bottom w0.25: U1.8 241.49,91.63 SW25.2
COL11: length 113.7
  Top w0.25: 265.61,90.8 269.24,87.17 SW43.2 269.24,57.46 SW60.2 277.8,48.91 277.8,46.53 SW75.2 ; 265.61,90.8 288.29,113.49 SW12.2 ; 265.61,90.8 259.72,90.8
  Bottom w0.25: U1.29 258.89,91.63 259.72,90.8
COL12: length 138.2
  Top w0.25: SW13.2 307.34,113.49 284.66,90.8 278.77,90.8 278.77,81.28 SW44.2 294.53,65.51 294.53,51.32 294.26,51.05 294.26,29.46 297.82,25.91 SW89.2
  Bottom w0.25: U1.34 274.63,94.94 278.77,90.8
COL13: length 145.8
  Top w0.25: SW90.2 SW76.2 316.87,40.8 SW62.2 308.12,55.86 308.12,57.48 312.86,62.23 SW46.2 313.38,63.34 ; SW29.2 307.34,85.09 SW30.2 313.38,79.05 SW45.1
  Bottom w0.25: SW61.2 SW62.2 ; SW29.2 301.63,96.52 269.66,96.52 267.94,94.8 U1.33
COL14: length 178.7
  Top w0.25: SW14.2 SW91.2
  Bottom w0.25: U1.32 267.43,96.97 316.67,96.97 322.84,90.8 SW31.2
COL-1: length 279.8
  Top w0.25: 7.55,82.67 6.23,84 6.23,119.45 7.55,120.77
  Bottom w0.25: U1.25 240.64,79.7 235.74,74.8 229.03,74.8 229.03,74.8 228.3,74.8 226.49,74.8 226.05,74.36 223.75,74.36 217.43,80.68 11.27,80.68 9.28,82.67 7.55,82.67
ROW0: length 305.4
  Bottom w0.25: U1.31 263.51,90.98 263.51,82.22 263.53,82.2 ; 263.53,82.2 D27.1 D28.1 D29.1 317.04,82.2 317.53,81.71 318.75,81.71 319.24,82.2 D31.1 ; 263.53,82.2 D26.1 D25.1 D24.1 D23.1 D22.1 D21.1 D20.1 D19.1 D18.1 D17.1 D16.1 D15.1 D93.1
ROW1: length 308.7
  Top w0.25: v1(257.78,77.98) 257.78,75.5 254.76,72.48 254.76,69.73 256.76,67.74 256.76,63.42 v1(257.03,63.15)
  Bottom w0.25: D47.1 321.46,52.28 312.24,52.28 D46.1 308.62,53.62 303.85,58.4 289.46,58.4 D44.1 D43.1 D42.1 D41.1 D40.1 D39.1 D38.1 D37.1 D36.1 D35.1 D34.1 D33.1 D32.1 ; v1(257.78,77.98) U1.35
ROW2: length 325.8
  Top w0.25: v1(252.64,75.53) 254.31,73.86 254.31,69.54 256.31,67.55 256.31,54.73 257.33,53.71 257.33,52.24 265.47,44.1 v1(265.94,44.1)
  Bottom w0.25: U1.28 252.7,75.59 v1(252.64,75.53) ; D48.1 D50.1 D51.1 D52.1 D53.1 D54.1 D55.1 D56.1 D57.1 D58.1 D59.1 v1(265.94,44.1) D60.1 D61.1 290.69,42.87 331.1,42.87 D63.1
ROW3: length 332.4
  Top w0.25: v1(251.21,75.53) 253.86,72.88 253.86,69.35 255.86,67.36 255.86,54.52 256.88,53.5 256.88,52.05 265.38,43.55 265.38,35.47 266.41,34.45 266.41,32.85 265.38,31.83 265.38,25.32 v1(265.65,25.05)
  Bottom w0.25: D64.1 D65.1 D66.1 D67.1 D68.1 D69.1 D70.1 D71.1 D72.1 D73.1 D74.1 D75.1 D76.1 D77.1 ; 250.35,76.39 v1(251.21,75.53)
ROW4: length 373.5
  Top w0.25: v1(247.66,75.53) 248.38,74.81 251.3,74.81 253.41,72.69 253.41,69.17 255.41,67.18 255.41,54.34 256.43,53.31 256.43,51.86 264.93,43.36 264.93,35.29 265.96,34.26 265.96,33.04 264.93,32.02 264.93,18.62 270.65,12.9 270.65,6.14 v1(270.51,6)
  Bottom w0.25: D90.1 D89.1 v1(270.51,6) 266.85,6 266.36,5.51 265.14,5.51 264.65,6 D86.1 ; D86.1 D88.1 ; D86.1 185.89,6 185.4,5.51 184.18,5.51 183.69,6 D84.1 104.93,6 104.44,5.51 103.21,5.51 102.72,6 D82.1 81.12,6 80.62,5.51 79.4,5.51 78.91,6 D80.1 57.3,6 56.81,5.51 55.59,5.51 55.1,6 D78.1 ; v1(247.66,75.53) 247.62,75.56 U1.26
ROW-1: length 337
  Top w0.25: v1(250.92,110.77) 250.64,110.5 250.64,106.04 239.19,94.59 239.19,90.19 241.28,88.11 241.28,82.06 v1(245.11,78.23)
  Bottom w0.25: U1.24 245.08,78.2 v1(245.11,78.23) ; D92.1 D1.1 D2.1 D3.1 D4.1 D5.1 D6.1 D7.1 D8.1 D9.1 D10.1 D11.1 D12.1 D13.1 D14.1
SW32A: length 296
  Top w0.25: SW92.A 6.68,105.4 6.68,85.42 9.01,83.09 v1(9.01,81.92)
  Bottom w0.25: U1.39 266.04,79.7 260.25,73.91 239.46,73.91 238.55,73 234.48,73 231.75,70.28 230.53,70.28 228.25,72.56 223.01,72.56 216.68,78.88 8.69,78.88 8.15,79.43 8.15,81.06 v1(9.01,81.92)
SW32B: length 287.9
  Top w0.25: v1(9.8,80.11) 9.8,82.94 7.13,85.61 7.13,100.85 SW92.B
  Bottom w0.25: v1(9.8,80.11) 10.12,79.78 217.06,79.78 223.38,73.46 226.42,73.46 226.86,73.9 238.15,73.9 239.06,74.81 255.64,74.81 260.53,79.7 U1.37
SW48A: length 267.7
  Top w0.25: v1(8.88,79.73) 7.55,78.4 SW93.A
  Bottom w0.25: U1.36 258.29,74.36 239.27,74.36 238.36,73.45 227.05,73.45 226.6,73.01 223.19,73.01 216.87,79.33 9.27,79.33 v1(8.88,79.73)
SW48B: length 267.7
  Bottom w0.25: U1.38 262.47,73.46 239.64,73.46 238.74,72.55 234.66,72.55 231.94,69.83 230.35,69.83 228.07,72.11 222.82,72.11 216.5,78.43 15.47,78.43 12.55,75.51 SW93.B
Net-(D1-A): length 3.3
  Bottom w0.25: D1.2 44.25,116.41
Net-(D2-A): length 3.3
  Bottom w0.25: D2.2 72.82,116.41
Net-(D3-A): length 3.3
  Bottom w0.25: D3.2 91.87,116.41
Net-(D4-A): length 3.3
  Bottom w0.25: D4.2 110.92,116.41
Net-(D5-A): length 3.3
  Bottom w0.25: D5.2 129.97,116.41
Net-(D6-A): length 3.3
  Bottom w0.25: D6.2 158.55,116.41
Net-(D7-A): length 3.3
  Bottom w0.25: D7.2 177.6,116.41
Net-(D8-A): length 3.3
  Bottom w0.25: D8.2 196.65,116.41
Net-(D9-A): length 3.3
  Bottom w0.25: D9.2 215.7,116.41
Net-(D10-A): length 3.3
  Bottom w0.25: D10.2 244.27,116.41
Net-(D11-A): length 3.3
  Bottom w0.25: D11.2 263.32,116.41
Net-(D12-A): length 3.3
  Bottom w0.25: D12.2 282.37,116.41
Net-(D13-A): length 3.3
  Bottom w0.25: D13.2 301.42,116.41
Net-(D14-A): length 3.3
  Bottom w0.25: D14.2 330,116.41
Net-(D15-A): length 3.3
  Bottom w0.25: D15.2 44.25,87.83
Net-(D16-A): length 3.3
  Bottom w0.25: D16.2 63.3,87.83
Net-(D17-A): length 3.3
  Bottom w0.25: D17.2 82.35,87.83
Net-(D18-A): length 3.3
  Bottom w0.25: D18.2 101.4,87.83
Net-(D19-A): length 3.3
  Bottom w0.25: D19.2 120.45,87.83
Net-(D20-A): length 3.3
  Bottom w0.25: D20.2 139.5,87.83
Net-(D21-A): length 3.3
  Bottom w0.25: D21.2 158.55,87.83
Net-(D22-A): length 3.3
  Bottom w0.25: D22.2 177.6,87.83
Net-(D23-A): length 3.3
  Bottom w0.25: D23.2 196.65,87.83
Net-(D24-A): length 3.3
  Bottom w0.25: D24.2 215.7,87.83
Net-(D25-A): length 3.3
  Bottom w0.25: D25.2 234.75,87.83
Net-(D26-A): length 3.3
  Bottom w0.25: D26.2 253.8,87.83
Net-(D27-A): length 3.3
  Bottom w0.25: D27.2 272.85,87.83
Net-(D28-A): length 3.3
  Bottom w0.25: D28.2 291.9,87.83
Net-(D29-A): length 21.3
  Bottom w0.25: 317.97,83.35 302.6,83.35 D29.2 301.85,84.96 301.85,87.41 SW29.1
Net-(D31-A): length 3.3
  Bottom w0.25: D31.2 330,87.83
Net-(D32-A): length 3.3
  Bottom w0.25: D32.2 49.01,68.78
Net-(D33-A): length 3.3
  Bottom w0.25: D33.2 72.82,68.78
Net-(D34-A): length 3.3
  Bottom w0.25: D34.2 91.87,68.78
Net-(D35-A): length 3.3
  Bottom w0.25: D35.2 110.92,68.78
Net-(D36-A): length 3.3
  Bottom w0.25: D36.2 129.97,68.78
Net-(D37-A): length 3.3
  Bottom w0.25: D37.2 149.02,68.78
Net-(D38-A): length 3.3
  Bottom w0.25: D38.2 168.07,68.78
Net-(D39-A): length 3.3
  Bottom w0.25: D39.2 187.12,68.78
Net-(D40-A): length 3.3
  Bottom w0.25: D40.2 206.17,68.78
Net-(D41-A): length 3.3
  Bottom w0.25: D41.2 225.22,68.78
Net-(D42-A): length 3.3
  Bottom w0.25: D42.2 244.27,68.78
Net-(D43-A): length 3.3
  Bottom w0.25: D43.2 263.32,68.78
Net-(D44-A): length 3.3
  Bottom w0.25: D44.2 282.37,68.78
Net-(D45-A): length 4.9
  Bottom w0.25: D46.2 308.56,59.26 ; 308.14,60.48 SW45.2
Net-(D47-A): length 3.3
  Bottom w0.25: D47.2 330,68.78
Net-(D48-A): length 8.1
  Bottom w0.25: SW48.1 SW49.1 ; D48.2 46.63,49.73
Net-(D50-A): length 3.3
  Bottom w0.25: D50.2 77.58,49.73
Net-(D51-A): length 3.3
  Bottom w0.25: D51.2 96.63,49.73
Net-(D52-A): length 3.3
  Bottom w0.25: D52.2 115.68,49.73
Net-(D53-A): length 3.3
  Bottom w0.25: D53.2 134.73,49.73
Net-(D54-A): length 3.3
  Bottom w0.25: D54.2 153.78,49.73
Net-(D55-A): length 3.3
  Bottom w0.25: D55.2 172.83,49.73
Net-(D56-A): length 3.3
  Bottom w0.25: D56.2 191.88,49.73
Net-(D57-A): length 3.3
  Bottom w0.25: D57.2 210.93,49.73
Net-(D58-A): length 3.3
  Bottom w0.25: D58.2 229.98,49.73
Net-(D59-A): length 3.3
  Bottom w0.25: D59.2 249.03,49.73
Net-(D60-A): length 3.3
  Bottom w0.25: D60.2 268.08,49.73
Net-(D61-A): length 15.2
  Bottom w0.25: D61.2 287.13,49.73 ; SW61.1 SW62.1
Net-(D63-A): length 3.3
  Bottom w0.25: D63.2 330,49.73
Net-(D64-A): length 3.3
  Bottom w0.25: D64.2 56.15,30.68
Net-(D65-A): length 3.3
  Bottom w0.25: D65.2 87.11,30.68
Net-(D66-A): length 3.3
  Bottom w0.25: D66.2 106.16,30.68
Net-(D67-A): length 3.3
  Bottom w0.25: D67.2 125.21,30.68
Net-(D68-A): length 3.3
  Bottom w0.25: D68.2 144.26,30.68
Net-(D69-A): length 3.3
  Bottom w0.25: D69.2 163.31,30.68
Net-(D70-A): length 3.3
  Bottom w0.25: D70.2 182.36,30.68
Net-(D71-A): length 3.3
  Bottom w0.25: D71.2 201.41,30.68
Net-(D72-A): length 3.3
  Bottom w0.25: D72.2 220.46,30.68
Net-(D73-A): length 3.3
  Bottom w0.25: D73.2 239.51,30.68
Net-(D74-A): length 3.3
  Bottom w0.25: D74.2 258.56,30.68
Net-(D75-A): length 3.3
  Bottom w0.25: D75.2 284.75,30.68
Net-(D76-A): length 3.3
  Bottom w0.25: D76.2 310.95,30.68
Net-(D77-A): length 3.3
  Bottom w0.25: D77.2 330,30.68
Net-(D78-A): length 19.2
  Bottom w0.25: SW78.1 44.57,12.06 43.23,10.72 D78.2 44.41,7.15 56.03,7.15
Net-(D80-A): length 19.2
  Bottom w0.25: SW80.1 68.39,12.06 67.04,10.72 D80.2 68.22,7.15 79.84,7.15
Net-(D82-A): length 19.2
  Bottom w0.25: 103.65,7.15 92.03,7.15 D82.2 90.85,10.72 92.2,12.06 SW82.1
Net-(D84-A): length 22.7
  Bottom w0.25: 184.62,7.15 166.87,7.15 D84.2 165.69,11.63
Net-(D86-A): length 3.3
  Bottom w0.25: D86.2 237.13,11.63
Net-(D87-A): length 18.9
  Bottom w0.25: SW87.1 257.72,6.98 256.37,8.33 D88.2 255.07,9.5 257.63,12.06 SW88.1
Net-(D89-A): length 3.3
  Bottom w0.25: D89.2 291.9,11.63
Net-(D90-A): length 3.3
  Bottom w0.25: D90.2 310.95,11.63
Net-(D91-A): length 3.3
  Bottom w0.25: D91.2 330,11.63
Net-(D92-A): length 25.3
  Bottom w0.25: 12.55,120.77 20.22,113.11 D92.2
Net-(D93-A): length 23.8
  Bottom w0.25: D93.2 31.77,81.58 13.64,81.58 12.55,82.67
Net-(U1-A5): length 267.5
  Top w0.25: RV1.2 6.23,52.37 6.23,78.1 v1(9.05,80.92)
  Bottom w0.25: U1.23 237.97,74.35 226.67,74.35 226.23,73.91 223.57,73.91 217.24,80.23 10.7,80.23 10.01,80.92 v1(9.05,80.92)
Net-(U1-DFU): length 101
  Top w0.25: SW94.1 SW94.1 217.32,12.67 221.45,16.8 221.45,16.84 230.17,25.57 230.17,32.59 225.05,37.72 225.05,66.52 228.6,70.08 v1(228.6,75.52)
  Bottom w0.25: v1(228.6,75.52) 229.47,76.39 U1.19

## Copper pours and planes (outline as drawn; the poured copper is in the pictures)
GND on Top: -47.61,169.08 -47.61,-90 375.3,-90 375.3,170.35
GND on Bottom: 373.64,-91.42 -50.54,-91.42 -49.27,171.62 374.91,171.62
